# Altium PCB RemoteControl.PcbDoc (part 2 of 2)
Units mil, origin at the board's own origin, x right, y up, seen from the top; angles counter-clockwise.
Board outline 3948.03 x 2641.7 mil, 2 copper layers (Top Layer, Bottom Layer); 63 components, 51 nets, 247 pads, 381 vias.
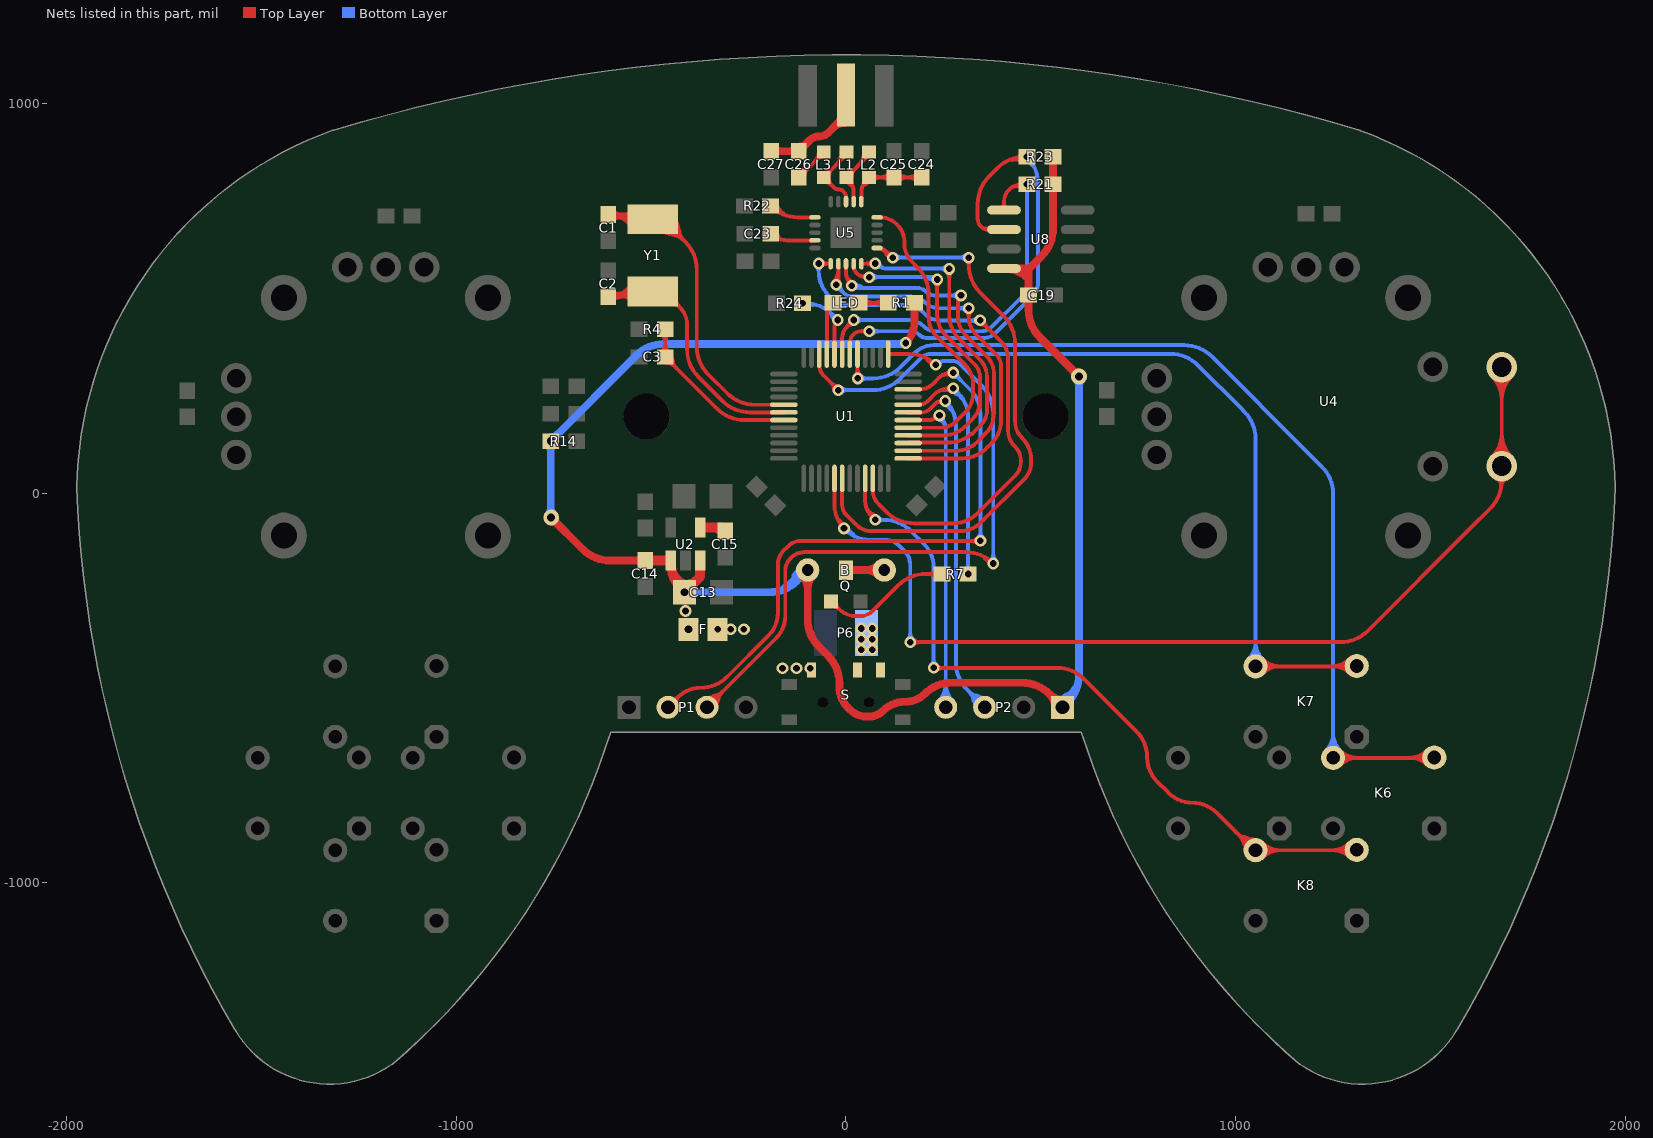
[diagram p2: the nets of this part, all layers, seen from the top]

## Via types
v1: diameter 30, hole 17, Top Layer to Bottom Layer, tented both sides, 238 vias
v2: diameter 20, hole 10, Top Layer to Bottom Layer, tented both sides, 117 vias
v3: diameter 40, hole 20, Top Layer to Bottom Layer, tented both sides, 13 vias
v4: diameter 25, hole 12, Top Layer to Bottom Layer, tented both sides, 6 vias
v5: diameter 25.98, hole 12.99, Top Layer to Bottom Layer, tented top, 4 vias
v6: diameter 20, hole 12, Top Layer to Bottom Layer, tented both sides, 2 vias
v7: diameter 23, hole 12, Top Layer to Bottom Layer, tented both sides, 1 vias

## Nets (pads, with @x,y where several pads share a name; then routed paths per layer and width w, separated by ;. In a path a pad name is that pad's centre, name@x,y a point inside that pad or via, vN(x,y) a via of type N, cw(c..) or ccw(c..) an arc to the next point about the centre after c; other vN are vias at no path point) (continued)
KEY6: K6.2 U1.41 | length 3529.5
  Top Layer w10: U1.41@29.53,357.45 29.53,295.47 v1(30,295) ; K6.2@1250.09,-678.9 1509.05,-678.9 K6.2@1509.84,-678.11 ; 1288.71,-678.9 ccw(c1288.71,-717.53) 1261.4,-690.21 cw(c1288.71,-717.53) 1288.71,-678.9 ; 1288.71,-678.9 cw(c1288.71,-640.27) 1261.4,-667.58 ccw(c1288.71,-640.27) 1288.71,-678.9 ; 1312.86,-678.9 ccw(c1312.86,-741.67) 1268.47,-697.28 cw(c1312.86,-741.67) 1312.86,-678.9 ; 1312.86,-678.9 cw(c1312.86,-616.13) 1268.47,-660.51 ccw(c1312.86,-616.13) 1312.86,-678.9 ; v1@22.93,302.07 ccw(c7,318) 29.53,318 cw(c7,318) v1@22.93,302.07 ; 29.53,320.28 ccw(c55.28,320.28) 37.07,302.07 cw(c55.28,320.28) 29.53,320.28 ; 1445.17,-678.9 ccw(c1445.17,-613.44) 1491.46,-659.73 cw(c1445.17,-613.44) 1445.17,-678.9 ; 1448.97,-678.9 cw(c1448.97,-738.98) 1491.46,-696.49 ccw(c1448.97,-738.98) 1448.97,-678.9 ; 1469.31,-678.9 ccw(c1469.31,-637.58) 1498.53,-666.8 cw(c1469.31,-637.58) 1469.31,-678.9 ; 1473.12,-678.9 cw(c1473.12,-714.84) 1498.53,-689.42 ccw(c1473.12,-714.84) 1473.12,-678.9
  Bottom Layer w10: v1(30,295) 69.58,295 ccw(c69.58,395) 140.29,324.29 176.04,360.04 ; 176,360 cw(c225.2,310.8) 176.04,360.04 ; K6.2@1250.09,-678.9 1250.09,-1.51 ccw(c1150.09,-1.51) 1220.8,69.2 1190,100 938.91,351.09 ccw(c868.2,280.38) 868.2,380.38 225.2,380.38 ccw(c225.2,310.8) 176.04,360.04 ; 54.14,295 ccw(c54.14,270.86) 37.07,287.93 cw(c54.14,270.86) 54.14,295 ; 54.14,295 cw(c54.14,319.14) 37.07,302.07 ccw(c54.14,319.14) 54.14,295 ; 1250.09,-640.27 ccw(c1288.71,-640.27) 1261.4,-667.58 cw(c1288.71,-640.27) 1250.09,-640.27 ; 1250.09,-640.27 cw(c1211.46,-640.27) 1238.77,-667.58 ccw(c1211.46,-640.27) 1250.09,-640.27 ; 1250.09,-616.13 ccw(c1312.86,-616.13) 1268.47,-660.51 cw(c1312.86,-616.13) 1250.09,-616.13 ; 1250.09,-616.13 cw(c1187.32,-616.13) 1231.7,-660.51 ccw(c1187.32,-616.13) 1250.09,-616.13
KEY7: K7.2 U1.46 | length 3310.1
  Top Layer w10: U1.46@-68.9,357.45 -68.9,330.72 ccw(c-28.28,330.72) -57.01,302.01 v1(-20,265) ; -33.38,277.6 ccw(c-16.49,282.12) v1(-20,265) ; -32.6,278.38 cw(c-37.12,261.49) v1(-20,265) ; K7.2@1051.09,-443.9 1310.05,-443.9 K7.2@1310.84,-443.11 ; -37.07,282.07 ccw(c-20,299.14) -20,275 cw(c-20,299.14) -37.07,282.07 ; -37.07,282.07 cw(c-54.14,265) -30,265 ccw(c-54.14,265) -37.07,282.07 ; 1089.71,-443.9 ccw(c1089.71,-482.53) 1062.4,-455.21 cw(c1089.71,-482.53) 1089.71,-443.9 ; 1089.71,-443.9 cw(c1089.71,-405.27) 1062.4,-432.58 ccw(c1089.71,-405.27) 1089.71,-443.9 ; 1113.86,-443.9 ccw(c1113.86,-506.67) 1069.47,-462.28 cw(c1113.86,-506.67) 1113.86,-443.9 ; 1113.86,-443.9 cw(c1113.86,-381.13) 1069.47,-425.51 ccw(c1113.86,-381.13) 1113.86,-443.9 ; 1246.17,-443.9 ccw(c1246.17,-378.44) 1292.46,-424.73 cw(c1246.17,-378.44) 1246.17,-443.9 ; 1249.97,-443.9 cw(c1249.97,-503.98) 1292.46,-461.49 ccw(c1249.97,-503.98) 1249.97,-443.9 ; 1270.31,-443.9 ccw(c1270.31,-402.58) 1299.53,-431.8 cw(c1270.31,-402.58) 1270.31,-443.9 ; 1274.12,-443.9 cw(c1274.12,-479.84) 1299.53,-454.42 ccw(c1274.12,-479.84) 1274.12,-443.9
  Bottom Layer w10: v1(-20,265) 68.58,265 ccw(c68.58,365) 139.29,294.29 191.02,346.02 cw(c219.67,317.33) 219.67,357.87 832.7,357.87 cw(c832.7,257.87) 903.42,328.58 1016,216 1021.8,210.2 cw(c951.09,139.49) 1051.09,139.49 K7.2@1051.09,-443.9 ; 4.14,265 ccw(c4.14,240.86) -12.93,257.93 cw(c4.14,240.86) 4.14,265 ; 4.14,265 cw(c4.14,289.14) -12.93,272.07 ccw(c4.14,289.14) 4.14,265 ; 1051.09,-405.27 ccw(c1089.71,-405.27) 1062.4,-432.58 cw(c1089.71,-405.27) 1051.09,-405.27 ; 1051.09,-405.27 cw(c1012.46,-405.27) 1039.77,-432.58 ccw(c1012.46,-405.27) 1051.09,-405.27 ; 1051.09,-381.13 ccw(c1113.86,-381.13) 1069.47,-425.51 cw(c1113.86,-381.13) 1051.09,-381.13 ; 1051.09,-381.13 cw(c988.32,-381.13) 1032.7,-425.51 ccw(c988.32,-381.13) 1051.09,-381.13
KEY8: K8.2 U1.21 | length 3348.9
  Top Layer w10: U1.21@49.21,38.55 49.21,-20 ccw(c102.84,-20) 64.92,-57.92 v1(75,-68) ccw(c61.23,-65.14) 68.26,-52.96 ; v1(225,-448) 541.58,-448 cw(c541.58,-548) 612.29,-477.29 744.72,-609.72 cw(c676.43,-678) 773,-678 ccw(c859.91,-678) 798.44,-739.44 826,-767 ; 971,-840 950.46,-819.46 ; 1018.54,-891.48 ccw(c1056.04,-881.44) K8.2@1050.52,-919.86 ; 1022.49,-882.24 cw(c1010.64,-926.49) K8.2@1054.96,-914.89 ; 1027.02,-893.45 cw(c1020.71,-917.02) K8.2@1045.09,-916.12 ; 1039.11,-886.69 cw(c1029.79,-921.47) K8.2@1064.63,-912.35 ; K8.2@1310.84,-915.11 1310.05,-915.9 K8.2@1051.09,-915.9 1046.9,-915.9 950.46,-819.46 ; 249.14,-448 ccw(c249.14,-472.14) 232.07,-455.07 cw(c249.14,-472.14) 249.14,-448 ; 249.14,-448 cw(c249.14,-423.86) 232.07,-440.93 ccw(c249.14,-423.86) 249.14,-448 ; 826,-767 827.56,-768.56 ; 826,-767 827.54,-768.54 ; 827.56,-768.56 ccw(c889,-707.09) 889,-794 cw(c889,-880.91) 950.44,-819.44 ; 1089.71,-915.9 ccw(c1089.71,-954.53) 1062.4,-927.21 cw(c1089.71,-954.53) 1089.71,-915.9 ; 1089.71,-915.9 cw(c1089.71,-877.27) 1062.4,-904.58 ccw(c1089.71,-877.27) 1089.71,-915.9 ; 1113.86,-915.9 ccw(c1113.86,-978.67) 1069.47,-934.28 cw(c1113.86,-978.67) 1113.86,-915.9 ; 1113.86,-915.9 cw(c1113.86,-853.13) 1069.47,-897.51 ccw(c1113.86,-853.13) 1113.86,-915.9 ; 55.28,-41.22 ccw(c87.1,-22.85) 77.59,-58.34 cw(c87.1,-22.85) 55.28,-41.22 ; 64.19,-56.65 cw(c54.19,-62.42) 65.34,-65.41 ccw(c54.19,-62.42) 64.19,-56.65 ; 999.55,-868.55 ccw(c1051.09,-817.02) 1051.09,-889.9 cw(c1051.09,-817.02) 999.55,-868.55 ; 1009.66,-878.66 cw(c972.43,-915.9) 1025.09,-915.9 ccw(c972.43,-915.9) 1009.66,-878.66 ; 1016.62,-885.62 ccw(c1051.09,-851.16) 1051.09,-899.9 cw(c1051.09,-851.16) 1016.62,-885.62 ; 1026.73,-895.73 cw(c1006.57,-915.9) 1035.09,-915.9 ccw(c1006.57,-915.9) 1026.73,-895.73 ; 1246.17,-915.9 ccw(c1246.17,-850.44) 1292.46,-896.73 cw(c1246.17,-850.44) 1246.17,-915.9 ; 1249.97,-915.9 cw(c1249.97,-975.98) 1292.46,-933.49 ccw(c1249.97,-975.98) 1249.97,-915.9 ; 1270.31,-915.9 ccw(c1270.31,-874.58) 1299.53,-903.8 cw(c1270.31,-874.58) 1270.31,-915.9 ; 1274.12,-915.9 cw(c1274.12,-951.84) 1299.53,-926.42 ccw(c1274.12,-951.84) 1274.12,-915.9
  Bottom Layer w10: v1(75,-68) 96.58,-68 ; 200,-130 cw(c139.64,-190.36) 200.04,-130.04 ; v1(225,-448) 225,-190.36 ccw(c139.64,-190.36) 200.04,-130.04 ; 96.58,-68 cw(c96.58,-168) 167.29,-97.29 200.04,-130.04 ; 96.58,-68 ccw(c96.58,-86.28) 82.63,-74.46 cw(c96.58,-86.28) 96.58,-68 ; 96.58,-68 cw(c96.58,-49.72) 82.63,-61.54 ccw(c96.58,-49.72) 96.58,-68 ; 225,-423.86 ccw(c249.14,-423.86) 232.07,-440.93 cw(c249.14,-423.86) 225,-423.86 ; 225,-423.86 cw(c200.86,-423.86) 217.93,-440.93 ccw(c200.86,-423.86) 225,-423.86
LB: R7.2 U1.32 | length 864.2
  Top Layer w10: U1.32@159.45,227.53 187.13,227.53 ccw(c187.13,259.87) 210,237 226.52,253.52 cw(c266.33,213.67) 266.33,270 v1(275,270) ; 245.87,264.52 cw(c254.1,233.8) 270,261.34 ccw(c254.1,233.8) 245.87,264.52 ; 256.33,267.32 ccw(c252.06,283.24) 266.34,275 cw(c252.06,283.24) 256.33,267.32
  Bottom Layer w10: 283.45,255.16 cw(c290.04,268.74) v1(275,270) 287.63,257.37 cw(c225.26,195) 313.46,195 v1(313.46,-207) ; 313.46,-182.86 ccw(c337.61,-182.86) 320.53,-199.93 cw(c337.61,-182.86) 313.46,-182.86 ; 313.46,-182.86 cw(c289.32,-182.86) 306.39,-199.93 ccw(c289.32,-182.86) 313.46,-182.86 ; v1@273.11,260.18 cw(c266.39,225.17) 295.9,245.17 ccw(c266.39,225.17) v1@273.11,260.18 ; v1@284.82,268.11 ccw(c297.23,265.73) 286.77,258.64 cw(c297.23,265.73) v1@284.82,268.11
LED: LED.2 U1.45 | length 138.1
  Top Layer w10: U1.45@-49.21,357.45 -49.21,473.25 LED.2@-33.46,489
MCO: U1.29 U5.10 | length 788
  Top Layer w10: U5.10@79.72,708.37 86.21,708.37 cw(c86.21,644.58) 131.31,689.68 cw(c86.21,644.58) 150,644.58 150,640 ccw(c212.77,640) 168.36,595.64 ; U1.29@159.45,168.47 243.47,168.47 ccw(c243.47,224) 282.72,184.72 299,201 ; 168.38,595.62 182.71,581.29 cw(c112,510.58) 212,510.58 212,452.28 ; 212,460 212,452.28 ; 306.91,208.91 299,201 ; 212,452.28 ccw(c280.28,452.28) 232,404 304,332 cw(c250.89,278.89) 326,278.89 326,255 cw(c260.82,255) 306.93,208.93 299,201
MISO: U1.27 U5.5 | length 1054.8
  Top Layer w10: U5.5@39.37,589.28 74.28,589.28 v1(75,590) ; 49.11,589.28 ccw(c49.11,615.89) v1@67.93,597.07 ; 52.61,589.28 cw(c52.61,567.61) v1@67.93,582.93 ; U1.27@159.45,129.1 160.35,130.01 259.59,130.01 ccw(c259.59,230.01) 330.3,159.3 346.12,175.12 ccw(c307.97,213.2) 361.87,213.2 361.87,300 ccw(c301.21,300) 344.11,342.89 291,396 cw(c353.77,458.77) 265,458.77 v1@265,575 ; v1@257.93,568.93 cw(c240.86,551.86) 265,551.86 cw(c289.14,551.86) v1@272.07,568.93
  Bottom Layer w10: v1(75,590) ccw(c106.69,621.69) 106.69,576.87 ; v1@77.86,580.42 cw(c84.14,559.43) 95.09,578.4 cw(c106.04,597.37) v1@84.73,592.31 ; 143,576.87 106.69,576.87 ; 238.75,576.87 cw(c238.75,549.75) v1@257.93,568.93 ; 242.97,576.87 ccw(c242.97,598.03) v1@257.93,583.07 ; v1(265,576) 264.13,576.87 106.69,576.87
MOSI: U1.28 U5.4 | length 972.6
  Top Layer w10: U5.4@19.69,589.28 19.69,582.47 ccw(c41.24,582.47) 25.98,567.25 30,563.23 ccw(c49.87,583.1) 49.87,555 v1(60,555) ; 40.21,557.59 ccw(c43.27,569.01) v1@52.33,561.42 ; 42.12,557.08 cw(c38.19,542.41) v1@51.34,550 ; U1.28@159.45,148.79 251.38,148.79 ccw(c251.38,224.62) 305,171 324.5,190.5 ccw(c277.42,237.58) 344,237.58 344,297.48 ccw(c296.2,297.48) 330,331.28 256.28,405 cw(c310.06,458.78) 234,458.78 v1(234,549) ; v1@226.93,541.93 cw(c209.86,524.86) 234,524.86 cw(c258.14,524.86) v1@241.07,541.93
  Bottom Layer w10: v1(60,555) 230,555 v1@234,551 ; v1@67.07,547.93 cw(c84.14,530.86) 84.14,555 cw(c84.14,579.14) v1@67.07,562.07 ; 195.37,555 cw(c195.37,510.37) v1@226.93,541.93 ; 219.51,555 cw(c219.51,534.51) v1(234,549)
NetB_2: B.2 Q.1 | length 204.7
  Top Layer w10: Q.1@0,-197 Q.1@0.15,-196.85
  Top Layer w20: Q.1@0.15,-196.85 B.2@98.43,-196.85 ; Q.1@5.66,-202.66 cw(c19.68,-216.68) 19.68,-196.85 ; Q.1@5.66,-191.34 ccw(c18.95,-178.05) 18.95,-196.85 ; B.2@84.28,-210.99 ccw(c50.14,-245.13) 50.14,-196.85 ccw(c50.14,-148.57) B.2@84.28,-182.71
NetC1_2: C1.2 U1.5 Y1.2 | length 2084.9
  Top Layer w10: C1.2@-606.61,710.26 cw(c-593.88,698.09) -589.42,715.13 ; C1.2@-601.24,701.71 cw(c-583.91,678.41) -576.39,706.46 ; C1.2@-599.38,703.35 cw(c-579.84,684.67) -572.99,710.82 ; C1.2@-597.28,720.84 ccw(c-572.2,735.32) -579.7,707.35 ; C1.2@-597.32,720.91 ccw(c-586.74,727.1) -589.84,715.24 ; Y1.2@-485.74,700.38 ccw(c-442.16,708.77) Y1.2@-453.65,665.91 ; Y1.2@-475.92,702.27 ccw(c-424.72,712.13) -438.22,661.77 ; Y1.2@-467.97,709.97 cw(c-479.88,657.12) -427.49,670.92 ; Y1.2@-465.77,719.73 cw(c-475.8,675.22) Y1.2@-431.68,686.84 ; -383,385 -383,376.42 ; -232,227.53 -234.11,227.53 ; U1.5@-159.45,227.53 -234.11,227.53 ; C1.2@-610,715.46 cw(c-610,641.88) -549.86,684.28 ccw(c-610,641.88) C1.2@-610,715.46 ; C1.2@-610,715.46 -507.94,715.46 Y1.2@-496,703.52 -470.52,703.52 -412,645 ; -574.55,715.46 ccw(c-574.55,680.01) -599.62,705.08 cw(c-574.55,680.01) -574.55,715.46 ; -574.55,715.46 cw(c-574.55,750.92) -599.62,725.85 ccw(c-574.55,750.92) -574.55,715.46 ; -412,645 cw(c-482.01,574.99) -383,574.99 -383,376.42 ; -412,645 cw(c-353.97,703.03) -436.04,703.38 ccw(c-353.97,703.03) -412,645 ; -383,376.42 ccw(c-283,376.42) -353.71,305.71 -346,298 -304.82,256.82 ccw(c-234.11,327.53) -234.11,227.53 ; C1.2@-590.71,715.46 cw(c-590.71,655.48) -541.69,690.04 ccw(c-590.71,655.48) C1.2@-590.71,715.46 ; -574.34,715.46 ccw(c-574.34,755.29) -546.18,727.13 cw(c-574.34,755.29) -574.34,715.46 ; -571.43,715.46 cw(c-571.43,669.08) -533.51,695.81 ccw(c-571.43,669.08) -571.43,715.46 ; Y1.2@-469.43,670.13 cw(c-469.43,592.18) -414.3,647.3 ccw(c-469.43,592.18) Y1.2@-469.43,670.13 ; Y1.2@-469.43,680.13 cw(c-469.43,626.32) -431.37,664.37 ccw(c-469.43,626.32) Y1.2@-469.43,680.13 ; Y1.2@-446.04,703.42 ccw(c-387.77,703.18) -428.97,661.97 cw(c-387.77,703.18) Y1.2@-446.04,703.42
NetC2_2: C2.2 U1.6 Y1.1 | length 1549.4
  Top Layer w10: C2.2@-606.63,509.76 ccw(c-594.13,521.83) -589.63,505.04 ccw(c-586.34,492.84) -597.28,499.16 cw(c-572.2,484.68) -579.7,512.65 ; C2.2@-600.87,518.01 ccw(c-584.49,538.65) -577.67,513.2 ; C2.2@-599.44,516.71 ccw(c-580.16,535.32) -573.23,509.44 ; -224,207.84 -246.42,207.84 ; U1.6@-159.45,207.84 -246.42,207.84 ; C2.2@-610,504.54 ccw(c-610,575.55) -550.53,536.73 cw(c-610,575.55) C2.2@-610,504.54 ; C2.2@-610,504.54 -509.94,504.54 Y1.1@-496,518.48 -467.48,518.48 -425.97,476.97 ; -574.55,504.54 ccw(c-574.55,469.08) -599.62,494.15 cw(c-574.55,469.08) -574.55,504.54 ; -574.55,504.54 cw(c-574.55,539.99) -599.62,514.92 ccw(c-574.55,539.99) -574.55,504.54 ; -425.97,476.97 cw(c-469.46,433.54) -408,433.54 -408,369.42 ccw(c-308,369.42) -378.71,298.71 -345,265 -317.13,237.13 ccw(c-246.42,307.84) -246.42,207.84 ; -425.97,476.97 ccw(c-451.37,451.57) -460.73,486.25 cw(c-451.37,451.57) -425.97,476.97 ; -425.97,476.97 cw(c-398.39,504.55) -436.66,512.06 ccw(c-398.39,504.55) -425.97,476.97 ; C2.2@-591.53,504.54 ccw(c-591.53,563.49) -542.16,531.26 cw(c-591.53,563.49) C2.2@-591.53,504.54 ; -573.05,504.54 ccw(c-573.05,551.44) -533.78,525.8 cw(c-573.05,551.44) -573.05,504.54 ; -569.51,504.54 cw(c-569.51,471.54) -546.18,494.87 ccw(c-569.51,471.54) -569.51,504.54 ; Y1.1@-463.33,495.9 cw(c-456.56,470.82) -438.19,489.19 ccw(c-456.56,470.82) Y1.1@-463.33,495.9 ; Y1.1@-446.48,513.98 ccw(c-420.58,508.9) -439.24,490.24 cw(c-420.58,508.9) Y1.1@-446.48,513.98
NetC3_2: C3.2 R4.2 U1.7 | length 812.2
  Top Layer w10: R4.2@-464,421 C3.2@-464,350 -333,219 -331.45,217.45 ccw(c-260.74,288.16) -260.74,188.16 ; C3.2@-460.73,355.15 cw(c-466.27,333.22) C3.2@-444.42,339.08 ; -245,188.16 -260.74,188.16 ; U1.7@-159.45,188.16 -260.74,188.16 ; -464,385.45 ccw(c-428.55,385.45) -453.62,360.38 cw(c-428.55,385.45) -464,385.45 ; -464,385.45 cw(c-499.45,385.45) -474.38,360.38 ccw(c-499.45,385.45) -464,385.45 ; -464,385.55 ccw(c-499.45,385.55) -474.38,410.62 cw(c-499.45,385.55) -464,385.55 ; -464,385.55 cw(c-428.55,385.55) -453.62,410.62 ccw(c-428.55,385.55) -464,385.55 ; C3.2@-462.03,335.31 cw(c-462.03,304.61) -440.32,326.32 ccw(c-462.03,304.61) C3.2@-462.03,335.31 ; C3.2@-447.35,350 ccw(c-407.14,350) -435.57,321.57 cw(c-407.14,350) C3.2@-447.35,350
NetC15_2: C15.2 U2.4 | length 132.5
  Top Layer w25: U2.4@-374.6,-87.68 -318.86,-87.68 C15.2@-310,-96.54 ; -343.98,-87.68 cw(c-343.98,-128.55) -315.08,-99.65 ccw(c-343.98,-128.55) -343.98,-87.68
NetC23_2: C23.2 U5.19 | length 231.2
  Top Layer w10: C23.2@-193,666.6 ccw(c-151.27,708.33) -151.27,649.31 ; -120,649.31 -151.27,649.31 ; U5.19@-79.72,649.31 -151.27,649.31 ; -166.05,651.04 ccw(c-177.92,630.49) -186.02,652.8 cw(c-177.92,630.49) -166.05,651.04 ; -166.05,651.04 cw(c-155.68,669.01) -176.38,667.6 ccw(c-155.68,669.01) -166.05,651.04
NetC24_1: C24.1 C25.1 L2.1 U5.11 | length 735.2
  Top Layer w10: U5.11@39.37,748.72 39.37,773 cw(c84,773) 52.43,804.54 L2.1@59,811.12 C25.1@123,811.13 ; 50.46,793.66 ccw(c43.58,805.55) L2.1@56.4,810.49 ; C25.1@123,811.13 C24.1@194,811.13 ; 88.31,811.12 ccw(c88.31,782.79) 68.28,802.82 cw(c88.31,782.79) 88.31,811.12 ; 88.31,811.12 cw(c88.31,839.44) 68.28,819.41 ccw(c88.31,839.44) 88.31,811.12 ; 158.45,811.13 ccw(c158.45,775.68) 133.38,800.75 cw(c158.45,775.68) 158.45,811.13 ; 158.45,811.13 cw(c158.45,846.59) 133.38,821.52 ccw(c158.45,846.59) 158.45,811.13 ; 158.55,811.13 ccw(c158.55,846.59) 183.62,821.52 cw(c158.55,846.59) 158.55,811.13 ; 158.55,811.13 cw(c158.55,775.68) 183.62,800.75 ccw(c158.55,775.68) 158.55,811.13 ; 40.64,784.1 cw(c69.78,767.29) 61.06,799.79 ccw(c69.78,767.29) 40.64,784.1 ; 44.4,790.62 ccw(c24.47,802.11) 46.68,808.08 cw(c24.47,802.11) 44.4,790.62 ; 87.51,811.12 ccw(c87.51,846.63) 112.62,821.52 cw(c87.51,846.63) 87.51,811.12 ; 87.59,811.12 cw(c87.59,775.72) 112.62,800.75 ccw(c87.59,775.72) 87.59,811.12
NetC26_1: C26.1 L3.1 | length 315.8
  Top Layer w10: C26.1@-126.15,814.4 cw(c-104.22,808.87) C26.1@-110.08,830.71 ; C26.1@-121,811.13 -57,875.13 L3.1@-57,876.08 ; C26.1@-121,827.79 ccw(c-121,867.99) -92.57,839.56 cw(c-121,867.99) C26.1@-121,827.79 ; C26.1@-106.32,813.1 cw(c-75.61,813.1) -97.32,834.81 ccw(c-75.61,813.1) C26.1@-106.32,813.1 ; -79.38,852.76 ccw(c-102.7,876.08) -69.72,876.08 cw(c-102.7,876.08) -79.38,852.76 ; -74.72,857.41 cw(c-57.98,840.68) -57.98,864.35 ccw(c-57.98,840.68) -74.72,857.41
NetC26_2: C26.2 C27.2 pad.0@0,1022 | length 791.3
  Top Layer w10: pad.0@0,971 pad.0@0,1022
  Top Layer w20: C27.2@-192,878.06 C26.2@-121,878.06 -92.3,906.76 ; -92.28,906.78 cw(c-70,884.47) -70,916 ccw(c-70,952.21) -44.39,926.61 -35,936 ; pad.0@0,971 -35,936 ; pad.0@0,1011 cw(c-96.57,1011) -28.28,942.72 ; -168.62,878.06 ccw(c-168.62,854.68) -185.15,871.21 cw(c-168.62,854.68) -168.62,878.06 ; -168.62,878.06 cw(c-168.62,901.44) -185.15,884.91 ccw(c-168.62,901.44) -168.62,878.06 ; -144.38,878.06 ccw(c-144.38,901.44) -127.85,884.91 cw(c-144.38,901.44) -144.38,878.06 ; -144.38,878.06 cw(c-144.38,854.68) -127.85,871.21 ccw(c-144.38,854.68) -144.38,878.06 ; -35,936 -28.28,942.72 ; -33.64,937.36 cw(c0,903.71) pad.0@0,951.29 ; -33.64,937.36 cw(c0,903.71) pad.0@0,951.29 ; -33.64,937.36 cw(c0,903.71) pad.0@0,951.29 ; -33.64,937.36 cw(c0,903.71) pad.0@0,951.29 ; -28.28,942.72 cw(c-6.45,920.88) -1.97,951.44 ccw(c-6.45,920.88) -28.28,942.72 ; C26.2@-121,889.72 ccw(c-121,917.85) -101.11,897.96 cw(c-121,917.85) C26.2@-121,889.72 ; C26.2@-111.32,880.03 cw(c-92.69,880.03) -105.86,893.2 ccw(c-92.69,880.03) C26.2@-111.32,880.03
NetF_1: F.1 S.1
  other v1: -163,-449 -127,-449 -92,-449 -329.6,-349 -296,-349 -262,-349
NetL1_1: L1.1 L2.2 U5.12 | length 494.6
  Top Layer w10: L1.1@3.58,810.43 ccw(c15.57,805.27) 9.04,793.96 ; U5.12@19.69,748.72 19.69,773 ccw(c-27.23,773) 5.95,806.17 L1.1@1,811.12 59,869.12 L2.2@59,876.08 ; 40.14,853.16 cw(c71.26,844.82) L2.2@58.69,874.48 ; L1.1@-1.05,799.79 cw(c-9.24,769.26) 18.13,785.06 ccw(c-9.24,769.26) L1.1@-1.05,799.79 ; L1.1@1.98,822.85 ccw(c1.98,848.8) 20.33,830.45 cw(c1.98,848.8) L1.1@1.98,822.85 ; L1.1@13.32,808.08 ccw(c37.51,801.59) 15.82,789.08 cw(c37.51,801.59) L1.1@13.32,808.08 ; L1.1@13.72,811.12 cw(c44.42,811.12) 22.71,832.83 ccw(c44.42,811.12) L1.1@13.72,811.12 ; 32.37,842.49 ccw(c-1.22,876.08) 46.28,876.08 cw(c-1.22,876.08) 32.37,842.49 ; L2.2@49.44,859.56 ccw(c32.92,876.08) 56.28,876.08 cw(c32.92,876.08) L2.2@49.44,859.56
NetL1_2: L1.2 L3.2 U5.13 | length 505.2
  Top Layer w10: -30.79,784.91 -34.88,789 ; -17.86,853.16 cw(c13.26,844.82) L1.2@0.69,874.48 ; U5.13@0,748.72 0,759.51 ccw(c-20.49,759.51) -6,774 -7.09,775.09 ccw(c-18.94,763.24) -18.94,780 cw(c-18.94,796.76) -30.78,784.89 -34.88,789 ; L1.2@1,876.08 1,869.12 L3.2@-57,811.12 -34.88,789 ; L3.2@-44.28,811.12 ccw(c-13.58,811.12) -35.29,789.41 cw(c-13.58,811.12) L3.2@-44.28,811.12 ; L3.2@-44.28,811.12 cw(c-13.58,811.12) -35.29,832.83 ccw(c-13.58,811.12) L3.2@-44.28,811.12 ; L3.2@-56.02,799.39 cw(c-56.02,773.44) -37.67,791.79 ccw(c-56.02,773.44) L3.2@-56.02,799.39 ; L3.2@-56.02,822.85 ccw(c-56.02,848.8) -37.67,830.45 cw(c-56.02,848.8) L3.2@-56.02,822.85 ; -25.63,842.49 ccw(c-59.22,876.08) -11.72,876.08 cw(c-59.22,876.08) -25.63,842.49 ; L1.2@-8.56,859.56 ccw(c-25.08,876.08) -1.72,876.08 cw(c-25.08,876.08) L1.2@-8.56,859.56
NetLED_1: LED.1 R1.2 | length 297.8
  Top Layer w10: LED.1@33.46,489 R1.2@108.54,489 ; 70.89,489 ccw(c70.89,453.55) 45.82,478.62 cw(c70.89,453.55) 70.89,489 ; 70.89,489 cw(c70.89,524.45) 45.82,499.38 ccw(c70.89,524.45) 70.89,489 ; 71.11,489 ccw(c71.11,524.45) 96.18,499.38 cw(c71.11,524.45) 71.11,489 ; 71.11,489 cw(c71.11,453.55) 96.18,478.62 ccw(c71.11,453.55) 71.11,489
NetP6_2: P6.2 S.2 S.3
  other v1: 39,-401 67,-401 39,-374 67,-374 39,-347 67,-347
NetQ_2: Q.2 R7.1 | length 690.5
  Top Layer w10: Q.2@-38,-277 -18.38,-296.62 ; R7.1@246.54,-207 204.42,-207 ccw(c204.42,-307) 133.71,-236.29 131,-239 67.73,-302.27 cw(c37,-271.54) 37,-315 26,-315 cw(c26,-252.23) -18.37,-296.63 ; Q.2@-36.82,-289.95 cw(c-34.73,-312.98) -18.38,-296.62 ; Q.2@-36.82,-289.95 cw(c-34.72,-312.94) -18.39,-296.61 ; Q.2@-36.82,-289.95 cw(c-34.72,-312.94) -18.39,-296.61 ; Q.2@-36.82,-289.95 cw(c-34.73,-312.98) -18.38,-296.62 ; Q.2@-36.82,-289.95 cw(c-34.72,-312.94) -18.39,-296.61 ; Q.2@-36.82,-289.95 cw(c-34.72,-312.94) -18.39,-296.61 ; Q.2@-25.05,-278.18 ccw(c-2.02,-280.27) -18.38,-296.62 ; Q.2@-25.05,-278.18 ccw(c-2.06,-280.28) -18.39,-296.61 ; Q.2@-25.05,-278.18 ccw(c-2.06,-280.28) -18.39,-296.61 ; Q.2@-25.05,-278.18 ccw(c-2.02,-280.27) -18.38,-296.62 ; Q.2@-25.05,-278.18 ccw(c-2.06,-280.28) -18.39,-296.61 ; Q.2@-25.05,-278.18 ccw(c-2.06,-280.28) -18.39,-296.61 ; 209.11,-207 ccw(c209.11,-171.55) 234.18,-196.62 cw(c209.11,-171.55) 209.11,-207 ; 209.11,-207 cw(c209.11,-242.45) 234.18,-217.38 ccw(c209.11,-242.45) 209.11,-207